# KiCad board Corne V4 Pro Micro Edition.kicad_pcb
title: Corne; date: 2023-10-22; rev: 4.0.0; company: foostan
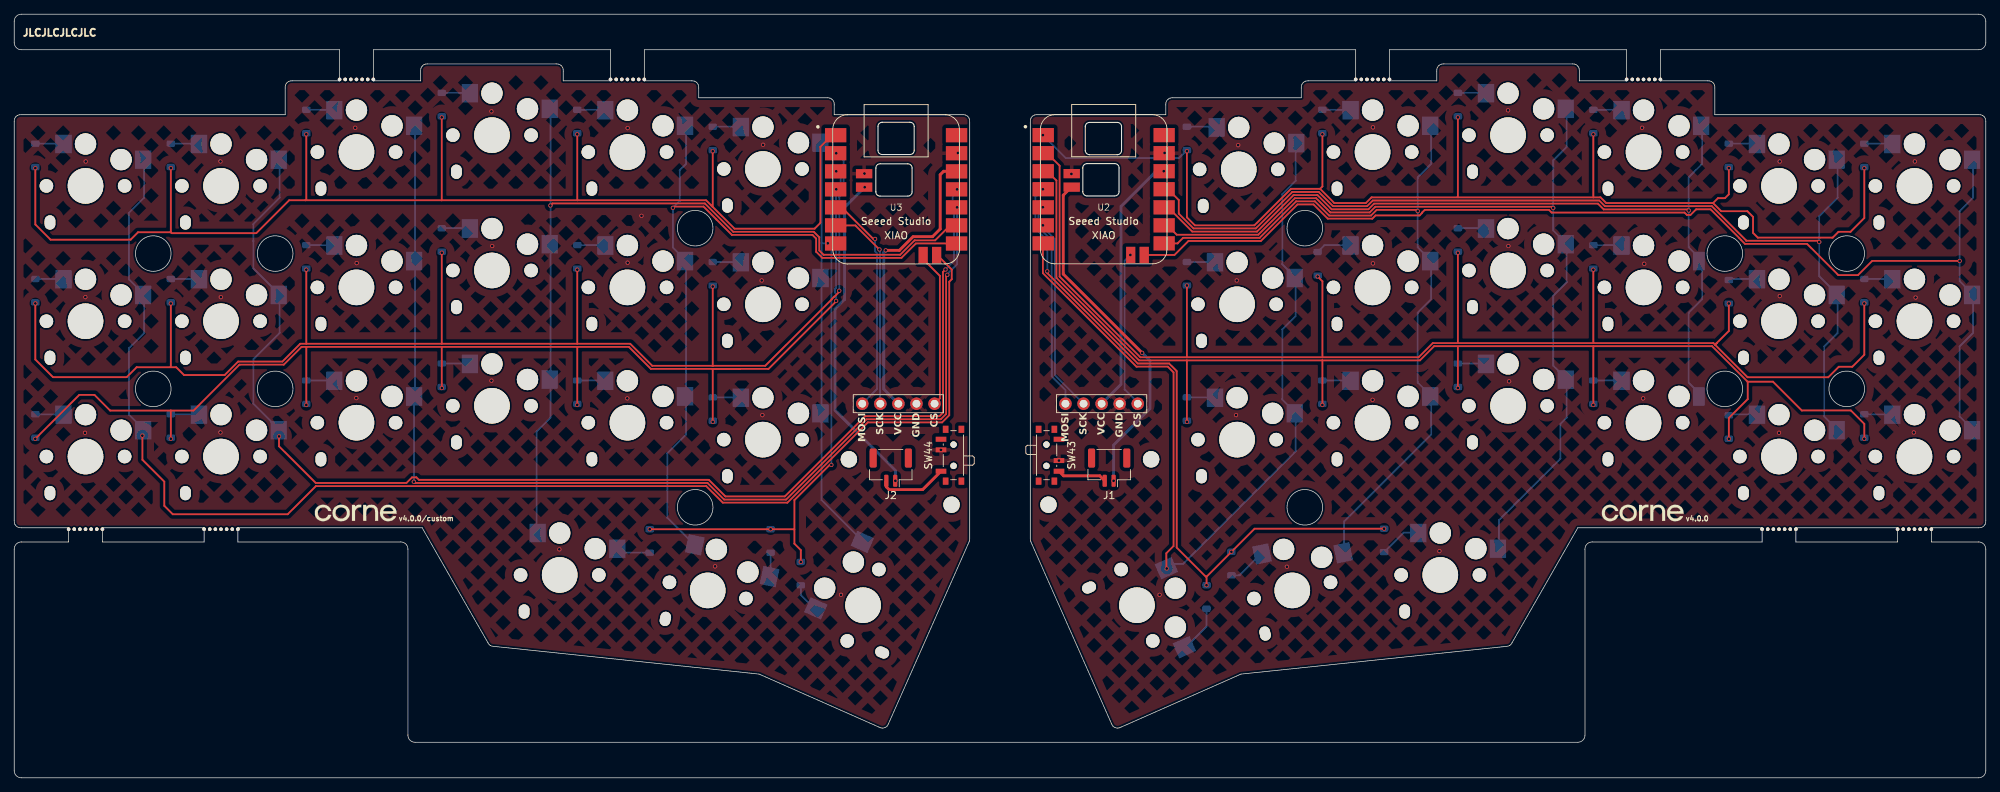
[diagram p0: board, top side]
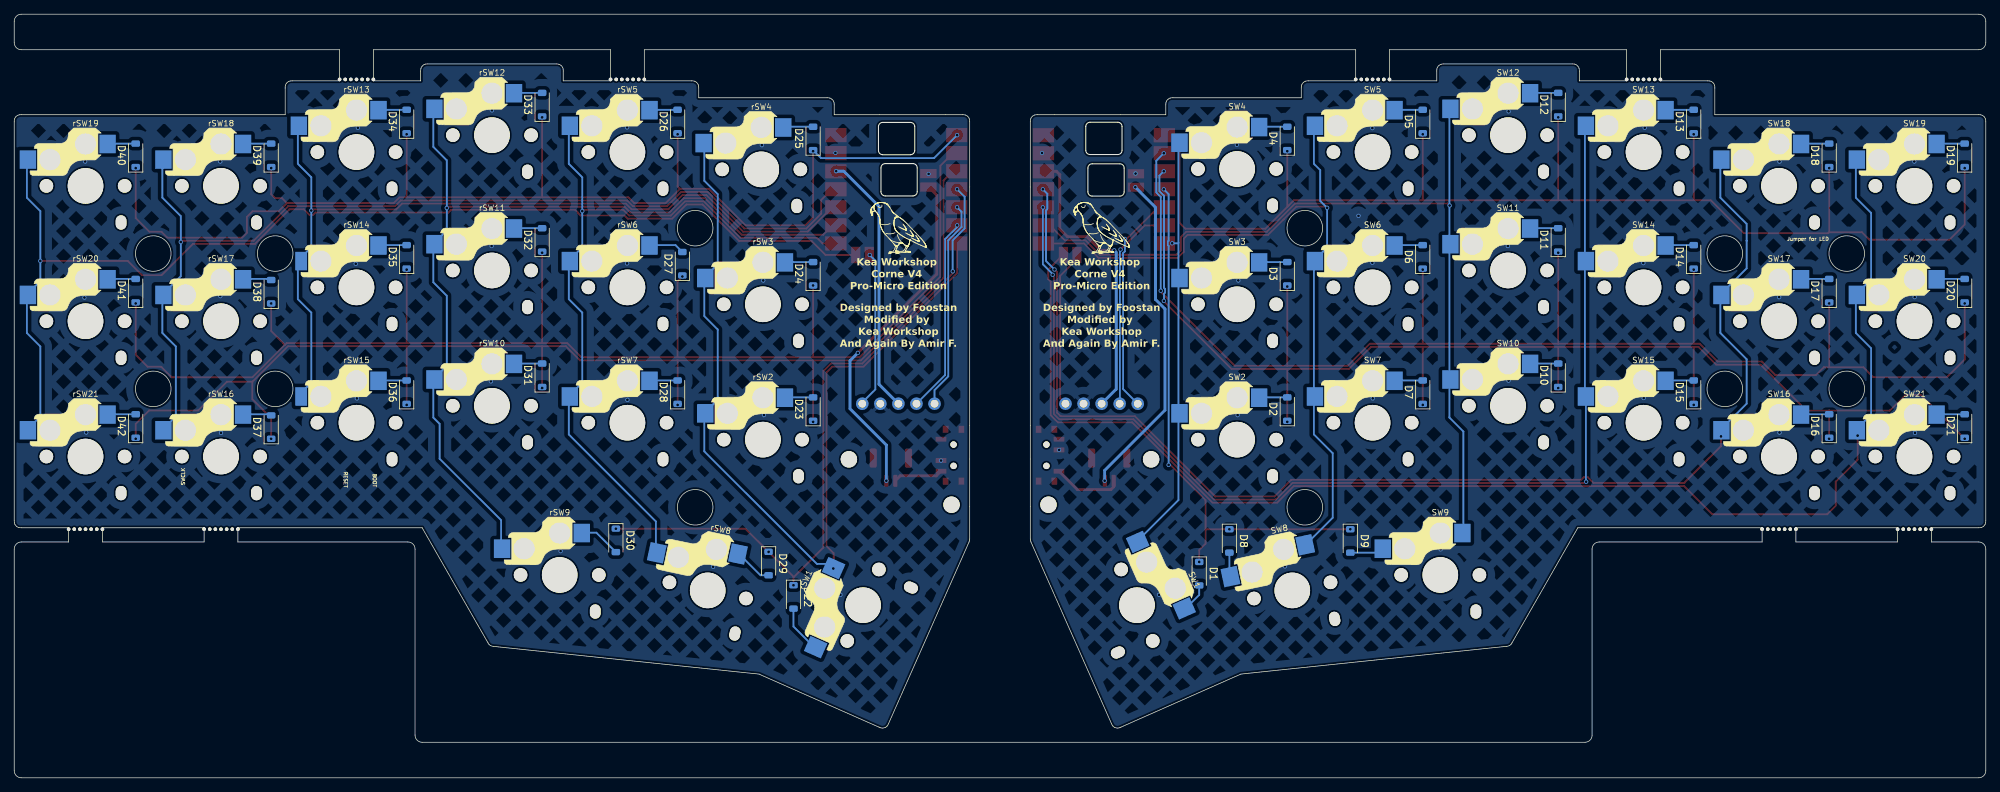
[diagram p1: board, bottom side, seen from below]

Outline 277.23 x 107.49 mm; copper layers: Top, Bottom. Coordinates in mm from the lower left corner of the outline.
Outline path: circle c19.55,73.8 r2.5 ; circle c19.55,54.75 r2.5 ; circle c36.7,73.8 r2.5 ; circle c36.7,54.75 r2.5 ; circle c95.75,77.37 r2.5 ; circle c95.75,38.08 r2.5 ; circle c181.48,77.37 r2.5 ; circle c181.48,38.08 r2.5 ; circle c240.53,73.8 r2.5 ; circle c240.53,54.75 r2.5 ; circle c257.68,73.8 r2.5 ; circle c257.68,54.75 r2.5 ; 0,92.35 0,36.2 ; 1,35.2 7.65,35.2 7.65,33.2 1,33.2 arc(0.29,32.91) 0,32.2 0,1 arc(0.29,0.29) 1,0 276.23,0 arc(276.93,0.29) 277.23,1 277.23,32.2 arc(276.93,32.91) 276.23,33.2 269.58,33.2 269.58,35.2 276.23,35.2 ; 38.1,97.11 38.1,93.35 1,93.35 ; 39.1,98.11 45.75,98.11 45.75,102.49 1,102.49 arc(0.29,102.79) 0,103.49 0,106.49 arc(0.29,107.2) 1,107.49 276.23,107.49 arc(276.93,107.2) 277.23,106.49 277.23,103.49 arc(276.93,102.79) 276.23,102.49 231.48,102.49 231.48,98.11 238.13,98.11 ; 57.15,99.49 57.15,98.11 50.5,98.11 50.5,102.49 83.85,102.49 83.85,98.11 77.2,98.11 77.2,99.49 ; 66.61,19 57.36,35.2 31.45,35.2 31.45,33.2 54.36,33.2 arc(55.07,32.91) 55.36,32.2 55.36,6 arc(55.65,5.29) 56.36,5 219.87,5 arc(220.57,5.29) 220.87,6 220.87,32.2 arc(221.16,32.91) 221.87,33.2 245.78,33.2 245.78,35.2 219.87,35.2 210.61,19 ; 67.38,18.51 104.73,14.6 121.62,7.12 ; 76.2,100.49 58.15,100.49 ; 95.25,98.11 88.6,98.11 88.6,102.49 188.63,102.49 188.63,98.11 181.98,98.11 ; 96.25,97.11 96.25,95.73 114.3,95.73 ; 115.3,94.73 115.3,93.35 133.35,93.35 ; 122.94,7.63 134.26,33.21 ; 134.35,92.35 134.35,33.61 ; 142.88,92.35 142.88,33.61 ; 143.88,93.35 161.93,93.35 161.93,94.73 ; 154.28,7.63 142.96,33.21 ; 162.93,95.73 180.98,95.73 180.98,97.11 ; 155.6,7.12 172.49,14.6 209.85,18.51 ; 200.03,99.49 200.03,98.11 193.38,98.11 193.38,102.49 226.73,102.49 226.73,98.11 220.08,98.11 220.08,99.49 ; 201.03,100.49 219.08,100.49 ; 239.13,97.11 239.13,93.35 276.23,93.35 ; 277.23,92.35 277.23,36.2 ; 12.4,35.2 12.4,33.2 26.7,33.2 26.7,35.2 12.4,35.2 ; 121.15,85.83 arc(121.33,86.26) 121.75,86.43 125.65,86.43 arc(126.08,86.26) 126.25,85.83 126.25,82.49 arc(126.08,82.06) 125.65,81.89 121.75,81.89 arc(121.33,82.06) 121.15,82.49 121.15,85.83 ; 121.45,91.68 arc(121.63,92.11) 122.05,92.28 125.95,92.28 arc(126.38,92.11) 126.55,91.68 126.55,88.34 arc(126.38,87.91) 125.95,87.74 122.05,87.74 arc(121.63,87.91) 121.45,88.34 121.45,91.68 ; 150.25,85.86 arc(150.43,86.28) 150.85,86.46 154.75,86.46 arc(155.18,86.28) 155.35,85.86 155.35,82.51 arc(155.18,82.09) 154.75,81.91 150.85,81.91 arc(150.43,82.09) 150.25,82.51 150.25,85.86 ; 150.6,91.66 arc(150.78,92.08) 151.2,92.26 155.1,92.26 arc(155.53,92.08) 155.7,91.66 155.7,88.31 arc(155.53,87.89) 155.1,87.71 151.2,87.71 arc(150.78,87.89) 150.6,88.31 150.6,91.66 ; 250.53,35.2 250.53,33.2 264.83,33.2 264.83,35.2 250.53,35.2
Stack: Top 0.035mm / dielectric 1.51mm FR4 er 4.5 / Bottom 0.035mm

## Placement (name value [footprint] x y rotation side)
BT1  Breakaway Tabs  [Breakaway_Tabs]  48.13 98.31 0 top
BT2  Breakaway Tabs  [Breakaway_Tabs]  86.23 98.31 0 top
BT3  Breakaway Tabs  [Breakaway_Tabs]  10.03 35 0 top
BT4  Breakaway Tabs  [Breakaway_Tabs]  29.08 35 0 top
D1  D  [D_SOD-123]  110.6 28.74 270 bottom
D2  D  [D_SOD-123]  98.22 51.9 90 bottom
D3  D  [D_SOD-123]  98.22 70.95 90 bottom
D4  D  [D_SOD-123]  98.22 90 90 bottom
D5  D  [D_SOD-123]  79.17 92.39 90 bottom
D6  D  [D_SOD-123]  79.17 73.34 90 bottom
D7  D  [D_SOD-123]  79.17 54.29 90 bottom
D8  D  [D_SOD-123]  106.36 33.34 270 bottom
D9  D  [D_SOD-123]  89.36 33.34 270 bottom
D10  D  [D_SOD-123]  60.12 56.67 90 bottom
D11  D  [D_SOD-123]  60.12 75.72 90 bottom
D12  D  [D_SOD-123]  60.12 94.77 90 bottom
D13  D  [D_SOD-123]  41.07 92.39 90 bottom
D14  D  [D_SOD-123]  41.07 73.34 90 bottom
D15  D  [D_SOD-123]  41.07 54.29 90 bottom
D16  D  [D_SOD-123]  22.02 49.52 90 bottom
D17  D  [D_SOD-123]  22.02 68.57 90 bottom
D18  D  [D_SOD-123]  22.02 87.62 90 bottom
D19  D  [D_SOD-123]  2.97 87.62 90 bottom
D20  D  [D_SOD-123]  2.97 68.57 90 bottom
D21  D  [D_SOD-123]  2.97 49.52 90 bottom
D22  D  [D_SOD-123]  167.65 25.46 270 bottom
D23  D  [D_SOD-123]  164.9 51.9 90 bottom
D24  D  [D_SOD-123]  164.9 70.95 90 bottom
D25  D  [D_SOD-123]  164.9 90 90 bottom
D26  D  [D_SOD-123]  183.95 92.39 90 bottom
D27  D  [D_SOD-123]  183.28 72.37 90 bottom
D28  D  [D_SOD-123]  183.95 54.29 90 bottom
D29  D  [D_SOD-123]  171.15 30.16 270 bottom
D30  D  [D_SOD-123]  192.63 33.42 270 bottom
D31  D  [D_SOD-123]  203 56.67 90 bottom
D32  D  [D_SOD-123]  203 75.72 90 bottom
D33  D  [D_SOD-123]  203 94.77 90 bottom
D34  D  [D_SOD-123]  222.05 92.39 90 bottom
D35  D  [D_SOD-123]  222.05 73.34 90 bottom
D36  D  [D_SOD-123]  222.05 54.29 90 bottom
D37  D  [D_SOD-123]  241.1 49.37 90 bottom
D38  D  [D_SOD-123]  241.1 68.42 90 bottom
D39  D  [D_SOD-123]  241.1 87.62 90 bottom
D40  D  [D_SOD-123]  260.15 87.62 90 bottom
D41  D  [D_SOD-123]  260.15 68.57 90 bottom
D42  D  [D_SOD-123]  260.15 49.52 90 bottom
Display1  nice!view  [nice_view]  152.9 69.17 0 top
Display2  nice!view  [nice_view]  124.33 69.17 0 top
G***  LOGO  [corne-logo-horizontal]  229.1 37.2 0 top
G***#2  LOGO  [corne-logo-horizontal]  48.13 37.2 0 top
J1  BATr  [JST_GH_SM02B-GHS-TB_1x02-1MP_P1.25mm_Horizontal]  153.96 43.66 180 top
J2  BATl  [JST_GH_SM02B-GHS-TB_1x02-1MP_P1.25mm_Horizontal]  123.25 43.66 180 top
NOREF  -  [unnamed]  159.86 44.83 0 top
NOREF#2  -  [unnamed]  145.43 38.44 0 top
rBT1  Breakaway Tabs  [Breakaway_Tabs]  229.1 98.31 0 top
rBT2  Breakaway Tabs  [Breakaway_Tabs]  191 98.31 0 top
rBT3  Breakaway Tabs  [Breakaway_Tabs]  267.2 35 0 top
rBT4  Breakaway Tabs  [Breakaway_Tabs]  248.15 35 0 top
REF**  -  [Kea Workshop Logo]  152.9 77.37 180 bottom
Ref**  Val**  [thread_m2]  117.25 41.66 180 bottom
Ref**#2  Val**  [thread_m2#2]  127.85 40.21 180 bottom
REF**#2  -  [Kea Workshop Logo]  124.33 77.37 180 bottom
rSW1  SW_Push  [keyswitch_choc12_hotswap_1.5u]  157.87 24.3 293.9 bottom
rSW2  SW_Push  [keyswitch_choc12_hotswap_1u]  171.95 47.6 0 bottom
rSW3  SW_Push  [keyswitch_choc12_hotswap_1u]  171.95 66.65 0 bottom
rSW4  SW_Push  [keyswitch_choc12_hotswap_1u]  172.18 85.65 0 bottom
rSW5  SW_Push  [keyswitch_choc12_hotswap_1u]  191 88.09 0 bottom
rSW6  SW_Push  [keyswitch_choc12_hotswap_1u]  191 69.04 0 bottom
rSW7  SW_Push  [keyswitch_choc12_hotswap_1u]  191 49.99 0 bottom
rSW8  SW_Push  [keyswitch_choc12_hotswap_1u]  179.71 26.38 11.9 bottom
rSW9  SW_Push  [keyswitch_choc12_hotswap_1u]  200.53 28.55 0 bottom
rSW10  SW_Push  [keyswitch_choc12_hotswap_1u]  210.05 52.37 0 bottom
rSW11  SW_Push  [keyswitch_choc12_hotswap_1u]  210.05 71.42 0 bottom
rSW12  SW_Push  [keyswitch_choc12_hotswap_1u]  210.05 90.47 0 bottom
rSW13  SW_Push  [keyswitch_choc12_hotswap_1u]  229.1 88.09 0 bottom
rSW14  SW_Push  [keyswitch_choc12_hotswap_1u#2]  229.1 69.04 0 bottom
rSW15  SW_Push  [keyswitch_choc12_hotswap_1u#2]  229.1 49.99 0 bottom
rSW16  SW_Push  [keyswitch_choc12_hotswap_1u]  248.15 45.22 0 bottom
rSW17  SW_Push  [keyswitch_choc12_hotswap_1u]  248.15 64.27 0 bottom
rSW18  SW_Push  [keyswitch_choc12_hotswap_1u]  248.15 83.32 0 bottom
rSW19  SW_Push  [keyswitch_choc12_hotswap_1u]  267.2 83.32 0 bottom
rSW20  SW_Push  [keyswitch_choc12_hotswap_1u]  267.2 64.27 0 bottom
rSW21  SW_Push  [keyswitch_choc12_hotswap_1u]  267.2 45.22 0 bottom
SW1  SW_Push  [keyswitch_choc12_hotswap_1.5u]  119.36 24.3 66.1 bottom
SW2  SW_Push  [keyswitch_choc12_hotswap_1u]  105.28 47.6 0 bottom
SW3  SW_Push  [keyswitch_choc12_hotswap_1u]  105.28 66.65 0 bottom
SW4  SW_Push  [keyswitch_choc12_hotswap_1u]  105.28 85.7 0 bottom
SW5  SW_Push  [keyswitch_choc12_hotswap_1u]  86.23 88.09 0 bottom
SW6  SW_Push  [keyswitch_choc12_hotswap_1u]  86.23 69.04 0 bottom
SW7  SW_Push  [keyswitch_choc12_hotswap_1u]  86.23 49.99 0 bottom
SW8  SW_Push  [keyswitch_choc12_hotswap_1u]  97.51 26.38 348.1 bottom
SW9  SW_Push  [keyswitch_choc12_hotswap_1u]  76.7 28.55 0 bottom
SW10  SW_Push  [keyswitch_choc12_hotswap_1u]  67.18 52.37 0 bottom
SW11  SW_Push  [keyswitch_choc12_hotswap_1u]  67.18 71.42 0 bottom
SW12  SW_Push  [keyswitch_choc12_hotswap_1u]  67.18 90.47 0 bottom
SW13  SW_Push  [keyswitch_choc12_hotswap_1u]  48.13 88.09 0 bottom
SW14  SW_Push  [keyswitch_choc12_hotswap_1u]  48.13 69.04 0 bottom
SW15  SW_Push  [keyswitch_choc12_hotswap_1u]  48.13 49.99 0 bottom
SW16  SW_Push  [keyswitch_choc12_hotswap_1u]  29.08 45.22 0 bottom
SW17  SW_Push  [keyswitch_choc12_hotswap_1u]  29.08 64.27 0 bottom
SW18  SW_Push  [keyswitch_choc12_hotswap_1u]  29.08 83.32 0 bottom
SW19  SW_Push  [keyswitch_choc12_hotswap_1u]  10.03 83.32 0 bottom
SW20  SW_Push  [keyswitch_choc12_hotswap_1u]  10.03 64.27 0 bottom
SW21  SW_Push  [keyswitch_choc12_hotswap_1u]  10.03 45.22 0 bottom
SW43  PCM12SMTR  [SW_SPDT_PCM12]  145.47 45.41 270 top
SW44  PCM12SMTR  [SW_SPDT_PCM12]  131.75 45.41 90 top
U2  Seeed Studio XIAO nRF52840  [XIAO-nRF52840-Sense-14P-2.54-21X17.8MM_custom]  153.19 82.85 0 top
U3  Seeed Studio XIAO nRF52840  [XIAO-nRF52840-Sense-14P-2.54-21X17.8MM_custom]  124 82.84 0 top

## Library data of the parts
BT1-BT4 rBT1-rBT4 = -: ki_fp_filters: MountingHole*
D1-D42 = -: ki_fp_filters: TO-???* *_Diode_* *SingleDiode* D_*
Display1 Display2 = -: Datasheet: https://nicekeyboards.com/docs/nice-view/pinout-schematic; ki_fp_filters: nice*
J1 J2 = -: Description: Generic connector, single row, 01x02, script generated (kicad-library-utils/schlib/autogen/connector/); ki_fp_filters: Connector*:*_1x??_*
SW43 SW44 = -: STANDARD: Manufacturer Recommendation; MANUFACTURER: C&K

## Footprints (pads in the part's own frame, mm; a bottom-side part is the same pattern mirrored in y, then rotated)
Breakaway_Tabs
  round 0.5 hole 0.5 unplated: (-2.375,0) (-1.583,0) (-0.792,0) (0,0) (0.792,0) (1.583,0) (2.375,0)
D_SOD-123
  rrect 0.9x1.2 smd: 1(-1.65,0) 2(1.65,0)
JST_GH_SM02B-GHS-TB_1x02-1MP_P1.25mm_Horizontal
  rrect 0.6x1.7 smd: 1(-0.625,1.85) 2(0.625,1.85)
  rrect 1x2.7 smd: MP(-2.475,-1.35) MP(2.475,-1.35)
keyswitch_choc12_hotswap_1.5u
  round 1.9 hole 1.9 unplated: (-5.5,0) (5.5,0)
  oval 1.5x2 hole 1.5x2 unplated: (-5,5.15)
  round 3 hole 3 unplated: (0,-5.9) (5,-3.7)
  round 5 hole 5 unplated: (0,0)
  rect 2.3x2.6 smd: 1(8.1,-3.7) 2(-3.1,-5.9)
keyswitch_choc12_hotswap_1u
  round 1.9 hole 1.9 unplated: (-5.5,0) (5.5,0)
  oval 1.5x2 hole 1.5x2 unplated: (-5,5.15)
  round 3 hole 3 unplated: (0,-5.9) (5,-3.7)
  round 5 hole 5 unplated: (0,0)
  rect 2.3x2.6 smd: 1(8.1,-3.7) 2(-3.1,-5.9)
keyswitch_choc12_hotswap_1u#2
  round 1.9 hole 1.9 unplated: (-5.5,0) (5.5,0)
  oval 1.5x2 hole 1.5x2 unplated: (-5,5.15)
  round 3 hole 3 unplated: (0,-5.9) (5,-3.7)
  round 5 hole 5 unplated: (0,0)
  rect 1.65x2.6 smd: 1(7.775,-3.7)
  rect 2.3x2.6 smd: 2(-3.1,-5.9)
nice_view
  round 1.753 hole 1.092: 1(-5.08,-16.51) 2(-2.54,-16.51) 3(0,-16.51) 4(2.54,-16.51) 5(5.08,-16.51)
SW_SPDT_PCM12
  rect 1x0.8 smd: (-3.65,0.78) (-3.65,-1.43) (3.65,0.78) (3.65,-1.43)
  round 0.9 hole 0.9 unplated: (-1.5,-0.33) (1.5,-0.33)
  rect 0.7x1.5 smd: 1(-2.25,1.43) 2(0.75,1.43) 3(2.25,1.43)
thread_m2
  round 2.3 hole 2.3 unplated: (-0.113,3.172)
thread_m2#2
  round 2.3 hole 2.3 unplated: (-3.945,-1.767)
unnamed
  round 2.3 hole 2.3 unplated: (0,0)
XIAO-nRF52840-Sense-14P-2.54-21X17.8MM_custom
  rect 3x2 smd: 1(-8.5,7.62) 2(-8.5,5.08) 3(-8.5,2.54) 4(-8.5,0) 5(-8.5,-2.54) 6(-8.5,-5.08) 7(-8.5,-7.62) 8(8.5,-7.62) 9(8.5,-5.08) 10(8.5,-2.54) 11(8.5,0) 12(8.5,2.54) 13(8.5,5.08) 14(8.5,7.62)
  rect 1.3x2.3 smd: 19(3.8,-9.25) 20(5.7,-9.25)
  rect 2.3x1.3 smd: 21(-4.5,2.2) 22(-4.5,0.3)

## Nets
GNDl: Display2.4 SW44.2 U3.13 U3.21
GNDr: Display1.4 SW43.2 U2.13 U2.21
VCCl: Display2.3 U3.12
VCCr: Display1.3 U2.12
+BATTl: J2.1 U3.22
+BATTr: J1.1 U2.22
-BATTl: J2.2 SW44.1
-BATTr: J1.2 SW43.3
col0l: SW19.1 SW20.1 SW21.1 U3.20
col0r: rSW19.1 rSW20.1 rSW21.1 U2.20
col1l: SW16.1 SW17.1 SW18.1 U3.11
col1r: rSW16.1 rSW17.1 rSW18.1 U2.11
col2l: SW13.1 SW14.1 SW15.1 U3.10
col2r: rSW13.1 rSW14.1 rSW15.1 U2.10
col3l: SW9.2 SW10.1 SW11.1 SW12.1 U3.9
col3r: rSW9.1 rSW10.1 rSW11.1 rSW12.1 U2.9
col4l: SW5.1 SW6.1 SW7.1 SW8.2 U3.8
col4r: rSW5.1 rSW6.1 rSW7.1 rSW8.1 U2.8
col5l: SW1.1 SW2.1 SW3.1 SW4.1 U3.7
col5r: rSW1.2 rSW2.1 rSW3.1 rSW4.1 U2.7
csl: Display2.5 U3.19
csr: Display1.5 U2.19
row0l: D4.1 D5.1 D12.1 D13.1 D18.1 D19.1 U3.1
row0r: D25.1 D26.1 D33.1 D34.1 D39.1 D40.1 U2.1
row1l: D3.1 D6.1 D11.1 D14.1 D17.1 D20.1 U3.2
row1r: D24.1 D27.1 D32.1 D35.1 D38.1 D41.1 U2.2
row2l: D2.1 D7.1 D10.1 D15.1 D16.1 D21.1 U3.3
row2r: D23.1 D28.1 D31.1 D36.1 D37.1 D42.1 U2.3
row3l: D1.1 D8.1 D9.1 U3.4
row3r: D22.1 D29.1 D30.1 U2.4
SCLl: Display2.2 U3.6
SCLr: Display1.2 U2.6
SDAl: Display2.1 U3.5
SDAr: Display1.1 U2.5
Net-(D1-A): D1.2 SW1.2
Net-(D2-A): D2.2 SW2.2
Net-(D3-A): D3.2 SW3.2
Net-(D4-A): D4.2 SW4.2
Net-(D5-A): D5.2 SW5.2
Net-(D6-A): D6.2 SW6.2
Net-(D7-A): D7.2 SW7.2
Net-(D8-A): D8.2 SW8.1
Net-(D9-A): D9.2 SW9.1
Net-(D10-A): D10.2 SW10.2
Net-(D11-A): D11.2 SW11.2
Net-(D12-A): D12.2 SW12.2
Net-(D13-A): D13.2 SW13.2
Net-(D14-A): D14.2 SW14.2
Net-(D15-A): D15.2 SW15.2
Net-(D16-A): D16.2 SW16.2
Net-(D17-A): D17.2 SW17.2
Net-(D18-A): D18.2 SW18.2
Net-(D19-A): D19.2 SW19.2
Net-(D20-A): D20.2 SW20.2
Net-(D21-A): D21.2 SW21.2
Net-(D22-A): D22.2 rSW1.1
Net-(D23-A): D23.2 rSW2.2
Net-(D24-A): D24.2 rSW3.2
Net-(D25-A): D25.2 rSW4.2
Net-(D26-A): D26.2 rSW5.2
Net-(D27-A): D27.2 rSW6.2
Net-(D28-A): D28.2 rSW7.2
Net-(D29-A): D29.2 rSW8.2
Net-(D30-A): D30.2 rSW9.2
Net-(D31-A): D31.2 rSW10.2
Net-(D32-A): D32.2 rSW11.2
Net-(D33-A): D33.2 rSW12.2
Net-(D34-A): D34.2 rSW13.2
Net-(D35-A): D35.2 rSW14.2
Net-(D36-A): D36.2 rSW15.2
Net-(D37-A): D37.2 rSW16.2
Net-(D38-A): D38.2 rSW17.2
Net-(D39-A): D39.2 rSW18.2
Net-(D40-A): D40.2 rSW19.2
Net-(D41-A): D41.2 rSW20.2
Net-(D42-A): D42.2 rSW21.2

Pads without a net: J1 MP; J2 MP; SW43 1; SW44 3; U2 14; U3 14

## Via types
v1: diameter 0.6, hole 0.4, Top to Bottom, 127 vias

## Routing (per net, layer and track width the routed paths; a pad name or vN(x,y) marks a point on that pad's centre or on a via; arc(x,y) is an arc through that point)
GNDl: length 0.3
  Top w0.25: SW44.2 v1(130.3,46.16) ; 132.62,87.96 v1(132.7,87.96) 132.7,88.04 132.58,87.92
  vias: v1(10,67.66) v1(9.95,48.56) v1(10.05,86.76) v1(29,86.76) v1(29,48.61) v1(29.05,67.66) v1(47.95,91.51) v1(48.1,53.46) v1(48.15,72.46) v1(67.1,93.81) v1(67.1,55.91) v1(67.2,74.86) v1(76.65,32.16) v1(86.2,53.41) v1(86.25,91.46) v1(86.25,72.51) v1(88.2,79.11) v1(98.55,29.76) v1(105.1,70.01) v1(105.2,51.06) v1(105.3,89.11) v1(116.25,25.76) v1(119.55,85.06)
GNDr: length 1.2
  Top w0.25: 161.75,88.04 v1(161.75,87.96) 161.67,87.96 161.64,87.93 161.14,87.93 ; v1(146.9,44.66) 147.44,44.66
  vias: v1(148.65,85.01) v1(161.05,25.76) v1(171.8,51.06) v1(171.9,70.01) v1(172.1,89.06) v1(178.95,29.71) v1(191,53.21) v1(191.05,91.56) v1(191.05,72.41) v1(200.4,31.91) v1(210.05,93.96) v1(210.1,74.86) v1(210.2,55.81) v1(228.9,91.51) v1(229.05,53.41) v1(229.2,72.36) v1(248.15,48.56) v1(248.25,86.76) v1(248.25,67.81) v1(267.1,48.61) v1(267.25,86.76) v1(267.35,67.61)
VCCl: length 41.7
  Top w0.4: v1(122.55,74.24) 124.46,74.24 126.39,76.17 129.12,76.17 130.2,77.26 130.2,84.9 130.68,85.38 132.58,85.38
  Bottom w0.4: Display2.3 122.27,54.72 122.27,73.96 v1(122.55,74.24)
VCCr: length 37
  Bottom w0.4: Display1.3 155.63,55.39 155.63,80.43 160.58,85.39 v1(161.64,85.39)
+BATTl: length 46.6
  Top w0.4: J2.1 v1(123.9,41.81)
  Bottom w0.4: v1(119.58,83.14) 116.75,80.31 116.75,67.34 115.42,66 115.42,51.74 123.9,43.26 v1(123.9,41.81)
+BATTr: length 49
  Top w0.4: 148.64,83.15 147.51,82.01 147.51,70.91 v1(158.6,59.81)
  Bottom w0.4: v1(158.6,59.81) 159.7,58.71 159.7,51.96 154.59,46.84 v1(154.59,41.81)
-BATTl: length 9.8
  Top w0.4: SW44.1 127.73,40.57 123.02,40.57 122.63,40.96 J2.2
-BATTr: length 7
  Top w0.4: J1.2 152.64,42.51 147.55,42.51 SW43.3
col0l: length 195.1
  Top w0.25: v1(18.02,48.17) 18.02,44.77 21.1,41.69 21.1,38.29 22.29,37.1 38.45,37.1 42.42,41.06 97.3,41.06 99.64,38.73 108.72,38.73 120.02,50.03 130.47,50.03 131.48,51.04 131.48,69.83 131.83,70.18 131.83,71.55 129.78,73.59
  Bottom w0.25: SW21.1 18.22,48.92 18.27,48.97 16.13,51.12 16.13,60.47 18.27,62.62 18.27,68.02 16.13,70.17 16.13,79.52 18.27,81.67 18.27,87.07
col0r: length 165.6
  Top w0.25: 158.84,73.6 163.14,73.6 165.11,75.57 175.3,75.57 180.44,80.71 182.7,80.71 184.7,78.71 190.96,78.71 191.41,79.16 197.61,79.16 197.97,79.52 197.97,79.57 198.34,79.95 215.8,79.95 216.18,79.57 234.87,79.57 235.2,79.24 235.71,79.24 236.5,80.03 238.52,80.03 242.57,75.97 242.83,75.7 243.37,75.16 252.1,75.16 256.5,70.76 259.25,70.76 261.25,72.76 v1(273.55,72.76)
  Bottom w0.25: 275.45,48.97 273.55,50.87 273.55,60.73 275.45,62.62 275.45,68.02 273.55,69.92 v1(273.55,72.76) 273.55,79.78 275.45,81.67 275.45,87.07
col1l: length 179.9
  Top w0.25: v1(37.23,48.06) 37.23,46.67 42.4,41.5 55.15,41.5 55.94,42.29 56.55,42.29 56.9,41.94 97.67,41.94 100,39.61 108.35,39.61 119.65,50.91 130.1,50.91 130.6,51.4 130.6,71.2 v1(130.95,71.55)
  Bottom w0.25: 37.32,48.97 33.63,52.67 33.63,58.92 37.32,62.62 37.32,68.02 33.63,71.72 33.63,75.59 33.62,75.6 33.63,75.61 33.63,77.97 37.32,81.67 37.32,87.07 ; v1(130.95,71.55) 132.14,72.75 132.14,79.87 131.97,80.05 131.97,82.22 v1(132.58,82.84)
col1r: length 143.1
  Top w0.25: 161.64,82.85 162.23,82.85 163.75,81.33 163.75,79.41 165.83,77.33 174.57,77.33 179.71,82.47 183.43,82.47 185.43,80.47 190.23,80.47 191.03,81.27 222.87,81.27 223.67,80.47 238.7,80.47 243.55,75.62 243.55,75.6 253.63,75.6 v1(253.8,75.42)
  Bottom w0.25: 256.4,87.07 256.4,81.67 253.8,79.08 v1(253.8,75.42) 253.8,70.62 256.4,68.02 256.4,62.62 254.5,60.73 254.5,50.87 256.4,48.97
col2l: length 160.8
  Top w0.25: v1(131.21,70.81) 131.04,70.63 131.04,51.22 130.28,50.47 119.83,50.47 108.53,39.17 99.82,39.17 97.49,41.5 56.37,41.5 v1(56.19,41.68)
  Bottom w0.25: SW15.1 56.23,41.71 v1(56.19,41.68) ; v1(132.58,80.3) 132.58,72.29 131.21,70.92 v1(131.21,70.81) ; 56.37,91.84 56.37,53.66
col2r: length 120.2
  Top w0.25: v1(235.45,79.85) 235.3,80.01 223.51,80.01 222.69,80.83 191.22,80.83 190.42,80.03 185.25,80.03 183.25,82.03 179.89,82.03 174.75,76.89 165.65,76.89 162.23,80.31 161.64,80.31
  Bottom w0.25: 237.35,53.74 235.45,55.63 235.45,65.49 237.35,67.38 237.35,72.79 235.45,74.68 v1(235.45,79.85) 235.45,84.54 237.35,86.43 237.35,91.84
col3l: length 123.8
  Top w0.25: v1(75.39,80.56) 75.68,80.85 97.11,80.85 101.1,76.86 112.42,76.86 113.2,76.08 113.2,74.23 113.8,73.63 124.57,73.63 126.6,75.66 129.49,75.66 131.59,77.76 132.58,77.76
  Bottom w0.25: 75.42,94.22 75.42,80.59 v1(75.39,80.56) 75.42,80.53 75.42,50.71 73.46,48.75 73.46,34.6 SW9.2
col3r: length 127.7
  Top w0.25: 161.64,77.77 162.14,77.77 163.46,76.45 174.93,76.45 180.07,81.59 183.07,81.59 185.07,79.59 190.6,79.59 191.4,80.39 216.23,80.39 v1(216.4,80.21)
  Bottom w0.25: 218.3,94.22 218.3,88.81 216.4,86.92 216.4,77.06 218.3,75.17 218.3,69.76 216.4,67.87 216.4,58.01 218.3,56.12 218.3,50.71 217.41,49.83 217.41,44.92 208.77,36.28 208.77,32.3
col4l: length 108.1
  Top w0.25: v1(92.62,80.24) 92.79,80.41 96.93,80.41 98.73,78.61 98.73,78.61 100.92,76.42 112.24,76.42 112.76,75.9 112.76,74.05 113.62,73.19 124.75,73.19 126.78,75.22 132.58,75.22
  Bottom w0.25: 95.57,32.87 91.83,36.62 91.83,45.69 94.47,48.33 94.47,72.79 92.62,74.64 v1(92.62,80.24) 93.59,81.21 93.59,85.55 94.47,86.43 94.47,91.84
col4r: length 107.7
  Top w0.25: 161.64,75.23 163.58,75.23 163.58,75.24 164.35,76.01 175.12,76.01 180.26,81.15 182.88,81.15 184.88,79.15 190.78,79.15 191.58,79.95 197.18,79.95 v1(197.35,79.77)
  Bottom w0.25: 187,31.75 187,36.09 199.25,48.33 199.25,53.74 197.35,55.63 197.35,65.49 199.25,67.38 199.25,72.79 197.35,74.68 v1(197.35,79.77) 197.35,84.54 199.25,86.43 199.25,91.84
col5l: length 60.1
  Top w0.25: 114.8,75.24 114.82,75.22 115.58,75.22
  Bottom w0.25: 113.55,75.24 v1(114.4,75.24) ; 113.52,89.45 113.52,39.1 119.27,33.35
col5r: length 127.9
  Top w0.25: 144.64,75.23 144.64,71.04 157.8,57.88 162.21,57.88 163.01,57.08 163.01,32.62 162,31.61 162,29.51 v1(162.05,29.46)
  Bottom w0.25: 180.2,89.45 180.2,84.05 178.3,82.16 178.3,72.3 180.2,70.4 180.2,65 178.3,63.11 178.3,53.25 180.2,51.35 180.2,45.95 164.36,30.11 162,30.11 ; v1(162.05,29.46) 162.01,29.5 rSW1.2
csl: length 22.2
  Top w0.25: Display2.5 130.16,53.41 130.16,70.66 127.88,72.93 127.88,73.59
csr: length 22
  Bottom w0.25: Display1.5 157.98,52.83 156.14,54.67 156.14,72.8 v1(156.94,73.6)
row0l: length 184.7
  Top w0.25: 115.58,90.46 114.99,90.46 113.35,88.82 113.35,78.11 112.54,77.3 101.28,77.3 97.97,80.61 ; 97.97,80.61 98.22,80.36 v1(98.22,88.2) ; 97.97,80.61 97.28,81.3 79.2,81.3 ; v1(79.17,90.59) 79.17,81.33 79.2,81.3 ; 60.11,81.3 40.93,81.3 ; 60.11,81.3 60.12,81.31 v1(60.12,92.97) ; 60.11,81.3 79.2,81.3 ; 40.93,81.3 38.66,81.3 34.03,76.67 22.14,76.67 22.02,76.8 ; 40.93,81.3 41.07,81.44 v1(41.07,90.59) ; 22.02,76.8 17.42,76.8 16.37,75.75 5.11,75.75 2.97,77.89 v1(2.97,85.82) ; 22.02,76.8 22.02,76.8 v1(22.02,85.82)
row0r: length 176.6
  Top w0.25: v1(164.9,88.2) 164.9,78.89 166.02,77.77 174.39,77.77 179.53,82.91 183.61,82.91 ; 238.88,80.91 223.85,80.91 223.05,81.71 222.05,81.71 ; 238.88,80.91 240.03,79.76 243.7,79.76 244.5,78.96 244.5,76.71 245.17,76.04 255.7,76.04 256.52,76.86 258.2,76.86 260.15,78.8 v1(260.15,85.82) ; 238.88,80.91 239.57,81.6 240.55,81.6 241.1,82.14 v1(241.1,85.82) ; 183.61,82.91 183.95,83.24 v1(183.95,90.59) ; 183.61,82.91 185.61,80.91 190.05,80.91 190.85,81.71 222.05,81.71 ; 222.05,81.71 v1(222.05,90.59) ; v1(203,92.97) 203,81.71
  Bottom w0.25: D25.1 163.78,87.24 147.87,87.24 v1(144.64,90.47)
row1l: length 204.5
  Top w0.25: 98.22,58 98.22,58 v1(98.22,69.15) ; 98.22,58 89.72,58 86.62,61.1 40.22,61.1 37.72,58.6 31.49,58.6 29.59,56.7 23.87,56.7 22.77,57.8 17.22,57.8 15.82,56.4 5.45,56.4 2.97,58.88 v1(2.97,66.77) ; 98.22,58 105.6,58 114.95,67.35 114.95,67.38 115.31,67.74 115.35,67.74 116.01,68.4 v1(116.01,68.56) ; 60.12,61.1 60.12,61.1 v1(60.12,73.92) ; v1(22.02,66.77) 22.02,57.82 ; v1(41.07,71.54) 41.07,61.1 ; v1(79.17,71.54) 79.17,61.1
  Bottom w0.25: v1(115.58,87.92) 116.64,86.86 116.64,82.4 116.01,81.77 v1(116.01,68.56)
row1r: length 199.6
  Top w0.25: 164.9,59.2 164.9,59.21 v1(164.9,69.3) ; 164.9,59.2 158.35,59.2 146.99,70.56 146.99,86.17 145.25,87.91 144.65,87.91 ; 164.9,59.2 183.95,59.2 ; 239.4,61.2 239.4,61.21 241.1,62.9 v1(241.1,66.77) ; 239.4,61.2 239.16,60.96 ; 239.4,61.2 239.16,60.96 ; 183.95,59.2 197.47,59.2 199.47,61.2 238.92,61.2 239.16,60.96 ; 183.95,59.2 183.95,69.89 v1(183.28,70.57) ; 239.16,60.96 243.73,56.39 255.08,56.39 256.55,57.86 258.45,57.86 260.15,59.55 v1(260.15,66.77) ; v1(203,73.92) 203,61.24 ; v1(222.05,71.54) 222.05,61.21
row2l: length 181.5
  Top w0.25: v1(79.17,52.49) 79.17,60.6 ; 101.87,57.56 106.06,57.56 115.57,67.06 v1(115.57,67.13) ; 101.87,57.56 102.08,57.56 89.53,57.56 86.43,60.66 40.4,60.66 37.9,58.16 31.68,58.16 25.22,51.7 22.02,51.7 ; 101.87,57.56 98.22,57.56 v1(98.22,50.1) ; v1(22.02,47.72) 22.02,51.69 22.02,51.7 ; v1(41.07,52.49) 41.07,60.64 ; v1(60.12,54.87) 60.12,60.66 ; v1(2.97,47.72) 9.15,53.9 11.29,53.9 13.49,51.7 22.02,51.7
  Bottom w0.25: v1(115.57,67.13) 115.55,67.14 115.55,68.15 115.39,68.31 115.39,68.81 115.55,68.97 115.55,81.94 116.2,82.59 116.2,84.76 v1(115.58,85.38)
row2r: length 180.2
  Top w0.25: 243.73,55.76 247.3,55.76 251.35,51.71 258.25,51.71 260.15,49.82 v1(260.15,47.72) ; 243.73,55.76 238.73,60.76 199.65,60.76 197.65,58.76 183.95,58.76 ; 243.73,55.76 243.75,55.74 243.75,53.31 241.1,50.65 v1(241.1,47.72) ; 183.95,58.76 164.9,58.76 ; 183.95,58.76 183.95,58.75 v1(183.95,52.49) ; 164.9,58.76 158.17,58.76 146.55,70.37 146.55,84.07 145.23,85.39 144.64,85.39 ; 164.9,58.76 v1(164.9,50.1) ; v1(222.05,52.49) 222.05,60.75 ; v1(203,54.87) 203,60.72
row3l: length 75.8
  Top w0.25: v1(114.9,44.05) 114.66,44.05 109.7,39.09 109.7,34.99 ; 109.7,34.99 v1(106.36,34.99) v1(89.36,34.99) ; 109.7,34.99 109.7,32.96 110.6,32.06 v1(110.6,30.39)
  Bottom w0.25: v1(114.9,44.05) 114.9,74.87 115.02,74.99 115.02,75.49 114.9,75.61 114.9,82.16 v1(115.58,82.84)
row3r: length 96.6
  Top w0.25: v1(167.65,27.11) 167.65,28.31 ; 167.65,28.31 v1(171.15,31.81) 174.41,35.06 192.62,35.06 v1(192.63,35.07) ; 167.65,28.31 167.55,28.31 163.45,32.41 163.45,57.26 162.39,58.32 157.98,58.32 145.26,71.05 v1(145.26,71.29)
  Bottom w0.25: v1(145.26,71.29) 145.27,71.31 145.27,75.65 143.59,77.33 143.59,81.79 v1(144.64,82.85)
SCLl: length 29.2
  Top w0.25: 115.58,77.76 118.27,77.76 v1(121.66,74.37)
  Bottom w0.25: Display2.2 121.75,52.69 121.75,74.28 v1(121.66,74.37)
SCLr: length 27.5
  Bottom w0.25: v1(144.64,77.77) 144.64,77.52 146.33,75.84 146.33,56.69 Display1.2
SDAl: length 31.5
  Top w0.25: 115.58,80.3 116.35,80.3 120.8,75.85 v1(121.05,75.85)
  Bottom w0.25: v1(121.05,75.85) 121.05,74.62 121.05,74.11 121.31,73.85 121.31,54.73 Display2.1
SDAr: length 29.5
  Bottom w0.25: Display1.1 147.82,54.58 145.89,56.51 145.89,75.65 144.03,77.52 144.03,79.69 v1(144.64,80.31)
Net-(D1-A): length 4.2
  Bottom w0.25: 112.6,23.74 110.6,25.74 D1.2
Net-(D2-A): length 3.8
  Bottom w0.25: D2.2 102.03,53.55
Net-(D3-A): length 3.8
  Bottom w0.25: 102.03,72.6 98.22,72.6
Net-(D4-A): length 3.8
  Bottom w0.25: D4.2 102.03,91.65
Net-(D5-A): length 3.8
  Bottom w0.25: D5.2 82.98,94.04
Net-(D6-A): length 3.8
  Bottom w0.25: D6.2 82.98,74.99
Net-(D7-A): length 3.8
  Bottom w0.25: D7.2 82.98,55.94
Net-(D8-A): length 3.4
  Bottom w0.25: 106.36,28.34 D8.2
Net-(D9-A): length 3.8
  Bottom w0.25: D9.2 85.56,31.69
Net-(D10-A): length 3.8
  Bottom w0.25: D10.2 63.93,58.32
Net-(D11-A): length 3.8
  Bottom w0.25: D11.2 63.93,77.37
Net-(D12-A): length 3.8
  Bottom w0.25: D12.2 63.93,96.42
Net-(D13-A): length 3.8
  Bottom w0.25: D13.2 44.88,94.04
Net-(D14-A): length 3.8
  Bottom w0.25: D14.2 44.88,74.99
Net-(D15-A): length 3.8
  Bottom w0.25: D15.2 44.88,55.94
Net-(D16-A): length 3.8
  Bottom w0.25: D16.2 25.83,51.17
Net-(D17-A): length 3.8
  Bottom w0.25: D17.2 25.83,70.22
Net-(D18-A): length 3.8
  Bottom w0.25: D18.2 25.83,89.27
Net-(D19-A): length 3.8
  Bottom w0.25: D19.2 6.78,89.27
Net-(D20-A): length 3.8
  Bottom w0.25: D20.2 6.78,70.22
Net-(D21-A): length 3.8
  Bottom w0.25: 6.78,51.17 D21.2
Net-(D22-A): length 6.8
  Bottom w0.25: 164.64,18.28 167.65,21.29 D22.2
Net-(D23-A): length 3.8
  Bottom w0.25: 168.71,53.55 D23.2
Net-(D24-A): length 3.8
  Bottom w0.25: 164.9,72.6 168.71,72.6
Net-(D25-A): length 3.8
  Bottom w0.25: D25.2 168.71,91.65
Net-(D26-A): length 3.8
  Bottom w0.25: D26.2 187.76,94.04
Net-(D27-A): length 4.9
  Bottom w0.25: 187.76,74.99 184.24,74.99 D27.2
Net-(D28-A): length 3.8
  Bottom w0.25: 187.76,55.94 D28.2
Net-(D29-A): length 5.4
  Bottom w0.25: D29.2 172.29,28.51 175.3,31.53
Net-(D30-A): length 5.8
  Bottom w0.25: D30.2 195.36,34.5 197.28,34.5
Net-(D31-A): length 3.8
  Bottom w0.25: 206.81,58.32 D31.2
Net-(D32-A): length 3.8
  Bottom w0.25: 206.81,77.37 D32.2
Net-(D33-A): length 3.8
  Bottom w0.25: 206.81,96.42 D33.2
Net-(D34-A): length 3.8
  Bottom w0.25: D34.2 225.86,94.04
Net-(D35-A): length 3.8
  Bottom w0.25: 225.86,74.99 D35.2
Net-(D36-A): length 3.8
  Bottom w0.25: 225.86,55.94 D36.2
Net-(D37-A): length 3.8
  Bottom w0.25: 244.91,51.17 241.1,51.17
Net-(D38-A): length 3.8
  Bottom w0.25: 244.91,70.22 241.1,70.22
Net-(D39-A): length 3.8
  Bottom w0.25: 244.91,89.27 D39.2
Net-(D40-A): length 3.8
  Bottom w0.25: 263.96,89.27 D40.2
Net-(D41-A): length 3.8
  Bottom w0.25: 263.96,70.22 D41.2
Net-(D42-A): length 3.8
  Bottom w0.25: 263.96,51.17 D42.2

## Copper pours and planes (outline as drawn; the poured copper is in the pictures)
GNDl on Top, Bottom: 135.05,93.71 92.5,99.16 67.3,102.06 41.3,100.01 -1.15,94.46 -1.5,33.61 46.2,33.71 56.75,34.06 65.8,17.71 104.35,12.91 122.15,4.76 135.75,33.16 134.95,93.76 134.95,93.71
GNDr on Top, Bottom: 142.15,95.51 186.8,99.71 208.65,101.96 224.4,100.31 246.95,99.31 278.15,93.96 277.6,35.2 252.85,33.81 220.3,33.11 210.3,16.16 174.25,12.11 154.15,4.26 140.9,33.11 142.2,95.46

Small or netless copper shapes (teardrops, artwork), in the pictures only: 3 on Bottom

## Text on the board
B.Fab: Edge of body
B.Silkscreen: SWCLK | Jumper for LED | BOOT | RESET | Kea Workshop / Corne V4 / Pro-Micro Edition | Designed by Foostan / Modified by / Kea Workshop / And Again By Amir F.
F.Silkscreen: v4.0.0/custom | v4.0.0 | JLCJLCJLCJLC
